# Altium PCB FMC_radio_holeRef.PcbDoc (part 2 of 2)
Units mm, origin at the board's own origin, x right, y up, seen from the top; angles counter-clockwise.
Board outline 139.31 x 69.3 mm, 4 copper layers (Top Layer, SIG, GND, Bottom Layer), stack 1.372 mm thick; 109 components, 95 nets, 451 pads, 661 vias.
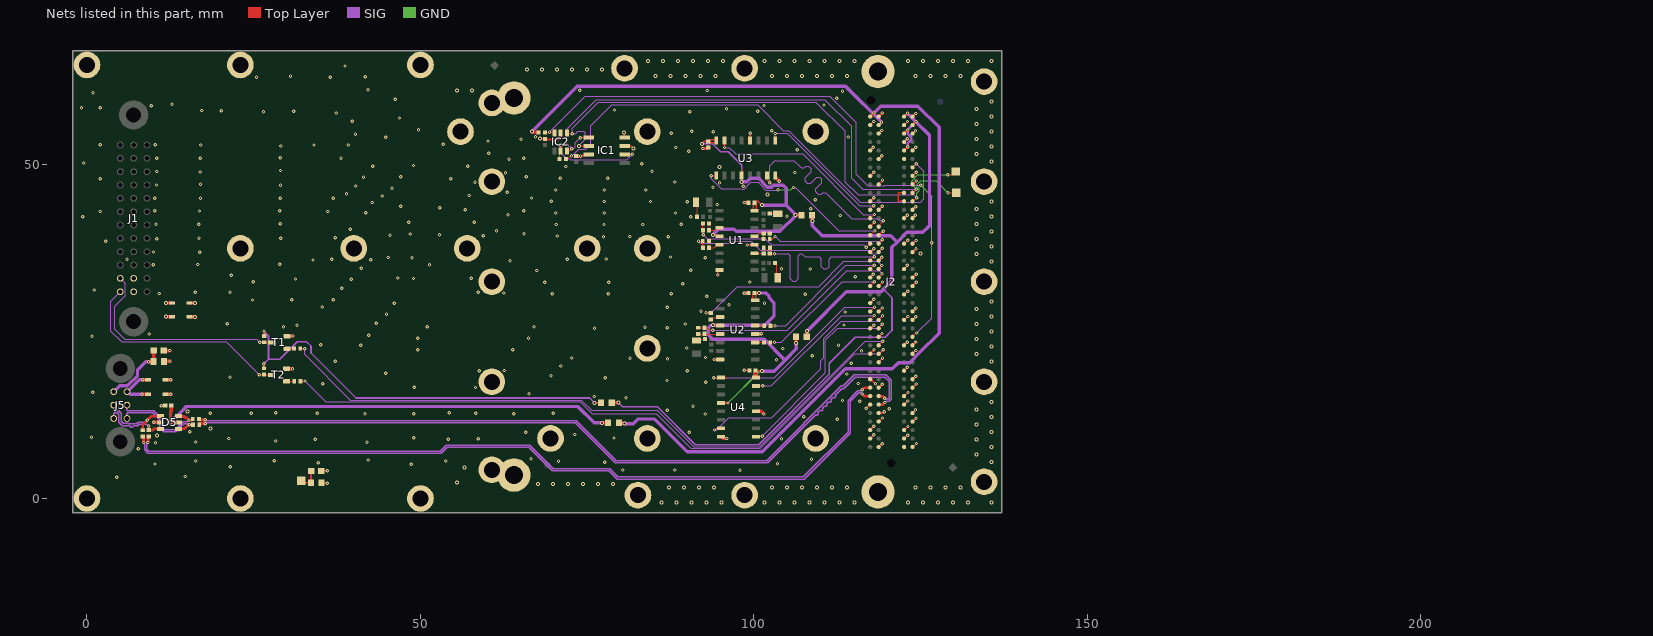
[diagram p4: the nets of this part, all layers, seen from the top]

## Via types
v1: diameter 0.5, hole 0.2, Top Layer to Bottom Layer, 509 vias
v2: diameter 0.6, hole 0.3, Top Layer to Bottom Layer, 152 vias

## Nets (pads, with @x,y where several pads share a name; then routed paths per layer and width w, separated by ;. In a path a pad name is that pad's centre, name@x,y a point inside that pad or via, vN(x,y) a via of type N, cw(c..) or ccw(c..) an arc to the next point about the centre after c; other vN are vias at no path point) (continued)
EWC27_CLK_C_TX_N: D5.4 J5.1 R18.1 | length 14.8
  Top Layer w0.4: D5.4@13.745,10.455 14.65,10.455 15.052,10.856 ; v1(15.316,11.049) R18.1@15.888,11.049
  SIG w0.2: J5.1@6,12 6,12.719 6.117,12.836 9.897,12.836 10.947,11.786 10.947,10.587 11.523,10.011 13.364,10.011 13.411,10.058 13.599,10.246 ccw(c13.76,10.407) 13.92,10.567 14.241,10.889 14.562,11.21 15.074,11.21 15.235,11.049 v1(15.316,11.049)
EWC27_CLK_C_TX_P: D5.6 J5.2 R19.1 | length 15
  Top Layer w0.4: D5.6@13.745,12.355 13.796,12.304 14.568,12.304 14.723,12.149 14.879,12.149 15.291,11.737 15.681,11.737 15.862,11.918 R19.1@15.862,11.938
  SIG w0.2: J5.2@6,14 6,13.281 6.117,13.163 10.032,13.163 11.274,11.921 11.274,10.722 11.659,10.338 13.228,10.338 14.427,11.537 15.024,11.537 15.222,11.735 v1(15.291,11.735)
EWC27_CLK_N: J2.g7 R18.2 | length 117.5
  Top Layer w0.4: R18.2@16.828,11.049 16.879,11.101 16.879,11.235 17.506,11.235 17.511,11.23 17.718,11.23 17.718,11.192 v1(17.729,11.18) ; J2.g7@118.695,15.346 119.287,15.346 v1(119.609,15.024)
  SIG w0.2: v1(17.729,11.18) 17.81,11.18 17.96,11.33 73.196,11.33 79.189,5.337 102.04,5.337 109.248,12.545 109.277,12.574 ccw(c109.438,12.735) 109.598,12.895 109.919,13.216 ccw(c110.08,13.377) 110.24,13.537 110.561,13.858 ccw(c110.722,14.019) 110.882,14.179 111.203,14.5 ccw(c111.364,14.661) 111.524,14.821 111.845,15.142 ccw(c112.006,15.303) 112.166,15.463 113.172,16.469 113.446,16.469 115.189,18.212 119.617,18.212 120.261,17.568 120.261,14.991 120.143,14.874 119.978,14.874 119.885,14.967 119.666,14.967 v1(119.609,15.024)
EWC27_CLK_P: J2.g6 R19.2 | length 117.2
  Top Layer w0.4: R19.2@16.802,11.938 16.879,11.861 16.879,11.762 17.692,11.762 17.729,11.799 v1(17.729,11.807) ; J2.g6@118.695,14.076 119.287,14.076 v1(119.609,14.397)
  SIG w0.2: v1(17.729,11.807) 17.81,11.807 17.96,11.657 73.331,11.657 79.324,5.664 101.905,5.664 113.037,16.796 113.311,16.796 115.053,18.539 119.752,18.539 120.588,17.703 120.588,14.856 120.279,14.547 119.84,14.547 119.69,14.397 v1(119.609,14.397)
EWC27_CMD_RX: C18.2 J2.g24 R10.2 | length 31.4
  Top Layer w0.127: v1(91.673,38.578) 92.22,38.578 92.282,38.64 R10.2@92.319,38.603 92.337,38.585 C18.2@92.337,37.598 ; J2.g24@118.695,36.936 118.695,36.942 v1(119.253,37.5)
  SIG w0.127: v1(91.673,38.578) 91.965,38.285 96.279,38.285 96.571,38.578 99.573,38.578 100.965,37.186 117.17,37.186 117.678,36.678 118.431,36.678 v1(119.253,37.5)
EWC27_CMD_TX: J2.h28 U3.15 | length 28.5
  Top Layer w0.127: v1(95.59,52.615) U3.15@95.59,53.671 ; J2.h28@117.425,42.016 117.98,42.57 v1(118.059,42.57)
  SIG w0.127: v1(95.59,52.615) 96.288,52.615 97.253,51.65 107.329,51.65 116.408,42.57 v1(118.059,42.57)
EWC27_DATA_C_TX_N: D5.3 J5.4 R20.1 | length 10.5
  Top Layer w0.4: v1(9.246,10.871) 9.258,10.858 9.258,10.262 R20.1@9.271,10.249 9.868,10.249 10.074,10.455 D5.3@11.045,10.455 D5.3@11.01,10.49
  SIG w0.2: J5.4@4,12 4,12.696 4.14,12.836 4.613,12.836 4.801,12.649 4.801,11.41 5.284,10.927 6.005,10.927 6.061,10.871 6.455,10.871 ccw(c6.682,10.871) 6.909,10.871 7.598,10.871 7.828,11.101 8.978,11.101 9.208,10.871 v1(9.246,10.871)
EWC27_DATA_C_TX_P: D5.1 J5.5 R21.1 | length 11.6
  Top Layer w0.4: R21.1@8.357,10.224 8.357,11.049 v1(9.026,11.718) 9.627,12.319 11.01,12.319 D5.1@11.045,12.355
  SIG w0.2: J5.5@4,14 4,13.304 4.14,13.163 4.749,13.163 5.128,12.785 5.128,11.545 5.419,11.254 6.141,11.254 6.197,11.198 7.462,11.198 7.692,11.428 8.759,11.428 9.026,11.695 v1(9.026,11.718)
EWC27_DATA_TX_N: J2.h8 R20.2 | length 121.3
  Top Layer w0.4: v1(9.127,8.382) 9.146,8.401 9.146,9.204 9.251,9.309 R20.2@9.271,9.309 ; v1(116.256,16.294) 116.577,16.616 J2.h8@117.425,16.616
  SIG w0.2: v1(9.127,8.382) 9.127,8.301 8.977,8.151 8.977,7.406 9.271,7.112 52.984,7.112 53.873,8.001 66.35,8.001 69.881,4.47 78.359,4.47 79.604,3.226 107.417,3.226 114.122,9.931 114.122,14.686 115.179,15.743 115.179,15.753 115.57,16.144 116.025,16.144 116.175,16.294 v1(116.256,16.294)
EWC27_DATA_TX_P: J2.h7 R21.2 | length 121.8
  Top Layer w0.4: R21.2@8.357,9.284 8.377,9.284 8.481,9.179 8.481,8.401 v1(8.5,8.382) ; v1(116.256,15.667) 116.577,15.346 J2.h7@117.425,15.346
  SIG w0.2: v1(8.5,8.382) 8.5,8.301 8.65,8.151 8.65,7.27 9.136,6.785 53.12,6.785 54.009,7.674 66.215,7.674 69.745,4.143 78.224,4.143 79.468,2.899 107.552,2.899 114.449,9.796 114.449,14.551 115.506,15.608 115.506,15.617 115.706,15.817 116.025,15.817 116.175,15.667 v1(116.256,15.667)
EWC27_FAULT: C6.2 J2.g25 R12.2 | length 19.1
  Top Layer w0.127: C6.2@102.364,39.739 102.366,39.737 R12.2@102.366,38.882 102.747,38.882 v1(103.153,39.289) ; J2.g25@118.695,38.206 119.253,38.764 v1(119.253,38.786)
  SIG w0.127: v1(103.153,39.289) 103.91,38.532 118.992,38.532 119.246,38.786 v1(119.253,38.786)
EWC27_LT8610_EN: J1.26 R16.1 T1.3 | length 32.9
  Top Layer w0.127: v1(25.909,23.414) R16.1@26.57,23.414 27.634,23.414 T1.3@27.655,23.393
  SIG w0.127: J1.26@5,33 5.74,32.26 5.74,30.404 4.166,28.829 4.166,25.391 5.656,23.901 25.421,23.901 v1(25.909,23.414)
EWC27_OFF_VCC: J2.h29 U3.9 | length 21.1
  Top Layer w0.127: U3.9@103.21,53.671 v1(103.21,54.723) ; J2.h29@117.425,43.286 117.425,43.311 v1(117.98,43.866)
  SIG w0.127: v1(103.21,54.723) 104.966,54.723 115.824,43.866 v1(117.98,43.866)
EWC27_RST: J2.g15 U4.9 | length 29.7
  Top Layer w0.127: U4.9@100.298,9.247 100.373,9.322 v1(101.219,9.322) ; J2.g15@118.695,25.506 119.253,26.064 v1(119.253,26.137)
  SIG w0.127: v1(101.219,9.322) 110.719,18.821 110.719,23.698 112.547,25.527 118.643,25.527 v1(119.253,26.137)
EWC31_CLK_RX: C17.2 J2.h25 R8.2 | length 27.8
  Top Layer w0.127: R8.2@92.337,41.219 92.354,41.202 C17.2@92.354,40.218 92.384,40.188 v1(92.384,39.543) ; v1(116.815,37.643) 116.862,37.643 J2.h25@117.425,38.206
  SIG w0.127: v1(92.384,39.543) 92.968,38.959 101.659,38.959 102.594,38.024 116.434,38.024 v1(116.815,37.643)
EWC31_CLK_TX: J2.h26 U3.1 | length 31.3
  Top Layer w0.127: v1(93.596,48.399) 93.618,48.421 U3.1@94.32,48.421 ; J2.h26@117.425,39.476 118.107,40.157 v1(118.135,40.157)
  SIG w0.127: v1(93.596,48.399) 93.596,47.908 95.072,46.431 98.129,46.431 98.211,46.349 98.576,46.349 98.834,46.607 98.834,46.731 99.525,47.422 100.663,47.422 100.88,47.205 100.88,47.154 101.79,46.245 103.547,46.245 v1(103.607,46.304) ; v1(105.918,46.634) 105.963,46.59 106.242,46.59 112.674,40.157 v1(118.135,40.157)
  GND w0.127: v1(103.607,46.304) 105.531,46.304 105.889,46.663 v1(105.918,46.634)
EWC31_CMD_RX: C1.2 J2.g21 R7.2 | length 32.4
  Top Layer w0.127: R7.2@91.654,25.601 92.557,25.601 C1.2@92.562,25.596 92.995,25.596 93.369,25.222 v1(93.802,25.222) ; J2.g21@118.695,33.126 118.695,33.199 v1(119.202,33.706)
  SIG w0.127: v1(93.802,25.222) 104.978,25.222 113.894,34.138 118.77,34.138 v1(119.202,33.706)
EWC31_CMD_TX: J2.g16 U4.7 | length 36.7
  Top Layer w0.127: v1(94.076,10.256) 94.373,10.553 95.012,10.553 U4.7@95.048,10.517 ; J2.g16@118.695,26.776 119.278,27.359 v1(119.278,27.407)
  SIG w0.127: v1(94.076,10.256) 94.355,10.256 96.215,12.116 102.641,12.116 109.995,19.469 109.995,20.663 110.465,21.133 110.465,23.978 113.055,26.568 118.44,26.568 v1(119.278,27.407)
EWC31_DATA_RX: C4.2 J2.h23 R11.2 | length 27.8
  Top Layer w0.127: R11.2@102.404,37.587 102.404,36.762 C4.2@102.366,36.723 102.391,36.698 v1(103.077,36.698) ; J2.h23@117.425,35.666 117.98,36.22 v1(118.008,36.22)
  SIG w0.127: v1(103.077,36.698) 105.004,36.698 105.126,36.698 105.468,36.355 105.468,32.919 105.811,32.576 106.269,32.576 106.611,32.919 106.611,36.355 106.954,36.698 107.183,36.698 107.661,36.22 108.242,36.22 108.814,36.22 109.626,36.22 109.779,36.22 110.122,35.877 110.122,34.749 110.465,34.406 110.922,34.406 111.265,34.749 111.265,35.877 111.608,36.22 111.836,36.22 v1(118.008,36.22)
EWC31_DATA_TX: J2.g27 U3.7 | length 31.9
  Top Layer w0.127: U3.7@101.94,48.421 102.004,48.357 102.004,47.68 v1(102.364,47.32) ; J2.g27@118.695,40.746 118.695,40.869 119.405,41.58 v1(119.405,41.622)
  SIG w0.127: v1(102.364,47.32) 102.364,49.916 103.108,50.659 105.982,50.659 106.909,49.733 107.07,49.572 107.555,49.572 107.76,49.777 108.245,49.777 108.569,49.454 108.569,48.969 108.121,48.521 107.673,48.073 107.673,47.588 107.997,47.265 108.481,47.265 108.929,47.713 109.377,48.16 109.862,48.16 110.185,47.837 110.185,47.352 109.737,46.904 109.29,46.457 109.29,45.972 109.613,45.648 110.098,45.648 110.303,45.854 110.788,45.854 111.531,45.11 114.681,41.961 118.618,41.961 118.957,41.622 v1(119.405,41.622)
EWC31_DATA_VALID: J2.h20 R6.2 | length 20.3
  Top Layer w0.127: R6.2@102.435,23.387 102.453,23.405 v1(103.07,23.405) ; J2.h20@117.425,31.856 118.034,32.464 v1(118.034,32.487)
  SIG w0.127: v1(103.07,23.405) 104.116,23.405 113.197,32.487 v1(118.034,32.487)
EWC31_FAULT: J2.h22 R5.2 | length 20.1
  Top Layer w0.127: R5.2@102.473,25.907 102.486,25.92 v1(103.146,25.92) ; J2.h22@117.425,34.396 117.428,34.396 v1(118.008,34.976)
  SIG w0.127: v1(103.146,25.92) 104.761,25.92 113.781,34.94 117.972,34.94 v1(118.008,34.976)
EWC31_LOCK_DETECT: J2.g22 R3.2 | length 31.3
  Top Layer w0.127: v1(92.808,27.825) 93.494,27.825 R3.2@93.52,27.8 ; J2.g22@118.695,34.396 119.177,34.877 v1(119.177,34.94)
  SIG w0.127: v1(92.808,27.825) 93.56,27.825 97.485,31.75 109.677,31.75 113.487,35.56 118.557,35.56 v1(119.177,34.94)
EWC31_LT8610_EN: J1.25 R14.1 T2.3 | length 33.4
  Top Layer w0.127: v1(25.833,18.542) 26.468,18.542 R14.1@26.519,18.592 26.595,18.516 T2.3@27.63,18.516
  SIG w0.127: J1.25@5,31 3.548,29.548 3.548,25.103 5.182,23.47 20.905,23.47 v1(25.833,18.542)
EWC31_OFF_VCC: J2.h16 U4.15 | length 23
  Top Layer w0.127: U4.15@100.298,16.867 101.296,16.867 v1(101.307,16.877) ; J2.h16@117.425,26.776 117.425,26.823 v1(118.034,27.432)
  SIG w0.127: v1(101.307,16.877) 102.602,16.877 113.157,27.432 v1(118.034,27.432)
EWC31_RST: J2.h17 U4.1 | length 32.6
  Top Layer w0.127: v1(93.955,18.085) 96.022,18.085 96.074,18.137 U4.1@95.048,18.137 ; J2.h17@117.425,28.046 118.056,28.677 v1(118.059,28.677)
  SIG w0.127: v1(93.955,18.085) 103.022,18.085 113.614,28.677 v1(118.059,28.677)
GA0: IC1.2 IC2.5 R23.1 | length 16.1
  Top Layer w0.127: R23.1@70.866,50.902 70.866,51.964 IC2.5@71.018,52.117 v2(71.018,53.01) ; IC1.2@80.609,51.587 80.635,51.613 v1@81.788,51.613
  SIG w0.127: v2(71.018,53.01) 71.018,51.802 71.907,50.913 72.349,50.913 72.455,50.808 73.822,50.808 73.838,50.792 74.455,50.792 74.498,50.749 80.924,50.749 v1@81.788,51.613
  other v1: 81.763,51.613
GA1: J2.d35
GND: B1.1 B2.1 B3.1 B4.1 B5.1 B6.1 B7.1 B8.1 B9.1 B10.1 B11.1 B12.1 B13.1 B14.1 B15.1 B16.1 B17.1 B18.1 B19.1 B20.1 B21.1 B22.1 B23.1 B24.1 B25.1 B26.1 B27.1 B28.1 B29.1 B30.1 B31.1 B32.1 B33.1 B34.1 B35.1 B36.1 C2.1 C7.1 C8.1 C9.1 C10.1 C12.1 C13.1 C14.1 C15.1 D1.1 D2.2 D3.1 D4.2 D5.2 IC1.3 IC1.4 IC1.7 IC2.2 J2.c1 J2.c4 J2.c5 J2.c8 J2.c9 J2.c12 J2.c13 J2.c16 J2.c17 J2.c20 J2.c21 J2.c24 J2.c25 J2.c28 J2.c29 J2.c32 J2.c33 J2.c36 J2.c38 J2.c40 J2.d2 J2.d3 J2.d6 J2.d7 J2.d10 J2.d13 J2.d16 J2.d19 J2.d22 J2.d25 J2.d28 J2.d37 J2.d39 J2.g1 J2.g4 J2.g5 J2.g8 J2.g11 J2.g14 J2.g17 J2.g20 J2.g23 J2.g26 J2.g29 J2.g32 J2.g35 J2.g38 J2.g40 J2.h2 J2.h3 J2.h6 J2.h9 J2.h12 J2.h15 J2.h18 J2.h21 J2.h24 J2.h27 J2.h30 J2.h33 J2.h36 J2.h39 R25.1 R26.1 T1.2 T2.2 U1.8 U1.12 U2.8 U2.12 U3.8 U3.12 U4.8 U4.12 | length 76.4
  Top Layer w0.25: v1(94.59,33.503) 94.59,34.019 U1.8@94.819,34.249 U1.8@94.825,34.255
  Top Layer w0.254: v1(11.125,13.919) C12.1@11.735,13.919 ; C13.1@35.139,4.125 35.165,4.151 v1(36.002,4.151) ; R25.1@35.189,2.373 35.265,2.296 v1(36.002,2.296) ; v2(67.945,53.95) 67.978,53.917 C15.1@68.656,53.917 68.751,53.823 70.815,53.823 71.018,54.026 IC2.2@71.018,54.817 ; C10.1@73.355,51.326 73.359,51.33 73.406,51.283 74.135,51.283 74.266,51.414 75.036,51.414 IC1.7@75.209,51.587 ; v2(80.543,54.889) 80.543,54.193 IC1.4@80.609,54.127 ; IC1.3@80.609,52.857 81.534,52.857 v2(81.915,52.476) ; v1(98.538,19.214) C9.1@99.318,19.214 ; v1(98.984,37.998) 99.014,38.028 100.039,38.028 U1.12@100.069,38.059 ; U3.12@99.4,53.671 99.441,53.712 v1(99.441,54.762) ; v1(116.815,13.513) 116.862,13.513 J2.h6@117.425,14.076 ; J2.h2@117.425,8.996 117.958,9.528 v1(117.958,9.55) ; J2.h3@117.425,10.266 117.425,10.317 v1(117.954,10.846) ; J2.h9@117.425,17.886 117.496,17.886 118.186,17.196 v1(118.212,17.196) ; J2.h12@117.425,21.696 117.425,21.718 v1(117.983,22.276) ; J2.h15@117.425,25.506 117.487,25.506 v1(117.954,25.973) ; J2.h18@117.425,29.316 v1(117.954,29.845) ; J2.h21@117.425,33.126 117.907,33.607 v1(117.907,33.63) ; J2.h24@117.425,36.936 v1(117.954,37.465) ; J2.h27@117.425,40.746 117.425,40.795 118.008,41.378 v1(118.008,41.427) ; J2.h30@117.425,44.556 117.958,45.088 v1(117.958,45.11) ; J2.h33@117.425,48.366 117.932,48.873 v1(117.932,48.895) ; J2.h36@117.425,52.176 117.428,52.176 v1(117.907,52.654) ; J2.h39@117.425,55.986 v1(117.954,56.515) ; J2.g1@118.695,7.726 119.199,8.23 v1(119.224,8.23) ; J2.g4@118.695,11.536 118.749,11.536 v1(119.278,12.065) ; J2.g5@118.695,12.806 119.348,12.806 v1(119.522,12.979) ; J2.g8@118.695,16.616 118.724,16.616 119.253,17.145 v1(119.253,17.12) ; J2.g11@118.695,20.426 118.698,20.426 v1(119.278,21.006) ; J2.g14@118.695,24.236 119.199,24.74 v1(119.202,24.74) ; J2.g17@118.695,28.046 118.749,28.046 v1(119.253,28.55) ; J2.g20@118.695,31.856 118.724,31.856 119.278,32.41 v1(119.278,32.461) ; J2.g23@118.695,35.666 118.698,35.666 v1(119.177,36.144) ; J2.g26@118.695,39.476 119.301,40.081 v1(119.38,40.081) ; J2.g29@118.695,43.286 v1(119.224,43.815) ; J2.g32@118.695,47.096 119.278,47.679 v1(119.278,47.701) ; J2.g35@118.695,50.906 118.695,50.914 119.151,51.37 v1(119.151,51.384) ; J2.g40@118.695,57.256 v1@119.224,57.785 ; J2.g38@118.698,54.716 v1(119.151,55.169) ; J2.d2@122.505,8.996 122.559,8.996 v1(123.038,9.474) ; J2.d3@122.505,10.266 123.034,10.795 v1(123.088,10.795) ; J2.d6@122.505,14.076 122.534,14.076 v1(123.063,14.605) ; J2.d7@122.505,15.346 122.534,15.346 v1(123.088,15.9) ; J2.d10@122.505,19.156 122.987,19.637 v1(122.987,19.66) ; J2.d13@122.505,22.966 122.534,22.966 v1(122.987,23.419) ; J2.d16@122.505,26.776 122.53,26.776 v1(123.034,27.28) ; J2.d19@122.505,30.586 122.53,30.586 v1(123.034,31.09) ; J2.d22@122.505,34.396 122.94,34.83 122.94,34.929 v1(122.987,34.976) ; J2.d25@122.505,38.206 122.559,38.206 v1(123.063,38.71) ; J2.d28@122.505,42.016 122.534,42.016 v1(122.987,42.469) ; J2.d37@122.505,53.446 122.984,53.924 v1(122.984,53.95) ; J2.d39@122.505,55.986 122.505,56.008 v1(123.012,56.515) ; J2.c1@123.775,7.726 123.829,7.726 v1(124.358,8.255) ; J2.c4@123.775,11.536 124.279,12.04 v1(124.282,12.04) ; J2.c5@123.775,12.806 123.775,12.845 124.206,13.276 v1(124.206,13.31) ; J2.c8@123.775,16.616 124.304,17.145 v1(124.304,17.17) ; J2.c9@123.775,17.886 123.802,17.886 124.23,18.313 v1(124.257,18.313) ; J2.c12@123.775,21.696 123.777,21.696 v1(124.257,22.176) ; J2.c13@123.775,22.966 v1(124.279,23.47) ; J2.c16@123.775,26.776 123.804,26.776 v1(124.257,27.229) ; J2.c17@123.775,28.046 123.826,28.046 v1(124.279,28.499) ; J2.c20@123.775,31.856 123.775,31.871 v1(124.304,32.4) ; J2.c21@123.775,33.126 123.804,33.126 124.282,33.604 v1(124.333,33.604) ; J2.c24@123.775,36.936 123.778,36.936 v1(124.282,37.44) ; J2.c25@123.775,38.206 124.206,38.637 124.286,38.637 v1(124.333,38.684) ; J2.c28@123.775,42.016 J2.c28@123.775,42.016 v1(124.2,42.443) v1(124.2,42.443) ; J2.c29@123.775,43.286 123.789,43.286 124.217,43.713 v1(124.231,43.713) ; J2.c32@123.775,47.096 123.8,47.096 v1(124.304,47.6) ; J2.c33@123.775,48.366 v1(124.304,48.895) ; J2.c36@123.775,52.176 124.257,52.657 v1(124.257,52.68) ; J2.c38@123.775,54.716 123.777,54.716 124.204,55.143 v1(124.206,55.143) ; J2.c40@123.775,57.256 123.804,57.256 v1(124.257,57.709)
  Top Layer w0.508: v1(10.033,11.405) D5.2@11.045,11.405 ; C14.1@11.525,22.176 11.526,22.174 v1(12.421,22.174) ; R26.1@11.57,20.549 11.595,20.574 v1(12.446,20.574) ; D4.2@11.739,15.646 12.548,15.646 v1(12.573,15.621) ; D3.1@11.739,17.805 11.743,17.801 12.552,17.801 v1(12.573,17.78) ; D2.2@15.346,27.229 16.155,27.229 16.206,27.178 v2(16.231,27.178) ; D1.1@15.346,29.312 v2(16.205,29.312) ; T2.2@29.93,19.466 29.94,19.456 v1(30.812,19.456) ; T1.2@29.955,24.343 29.966,24.354 v1(30.837,24.354) ; v1(92.329,52.476) 92.974,52.476 C8.1@93.139,52.641 ; v1(94.002,20.84) 94.916,20.84 U2.8@94.923,20.847 ; U1.8@94.816,34.252 U1.8@94.819,34.249 ; U4.8@95.048,9.247 95.145,9.247 95.4,8.992 v1(95.936,8.992) ; v1(98.523,30.771) 99.133,30.771 C7.1@99.158,30.797 ; v1(98.556,44.369) 99.147,44.369 C2.1@99.173,44.343 ; U2.12@100.173,24.657 100.19,24.674 v1@101.088,24.674 ; U4.12@100.298,13.057 101.069,13.057 v1(101.452,12.675) ; U3.8@103.21,48.421 103.21,48.071 103.231,48.05 103.334,48.05 v1(103.81,47.574) ; J2.g38@118.695,54.716 J2.g38@118.698,54.716 ; v1@119.224,57.785 v1(119.228,57.785)
  other v1: 4.445,3.175 14.732,3.302 97.911,4.216 80.315,4.267 88.132,4.267 21.488,4.75 48.609,5.156 10.204,5.182 103.525,5.232 34.665,5.359 77.622,5.436 70.688,5.588 16.307,5.613 53.772,5.613 28.067,5.639 42.182,5.766 108.636,5.893 66.573,5.944 7.7,7.442 10.266,8.357 41.986,8.407 16.332,8.465 28.296,8.611 34.239,8.89 54.178,8.89 104.119,8.941 58.646,8.966 21.26,8.992 79.019,9.068 48.971,9.119 0.686,9.195 73.127,9.601 65.761,9.906 90.272,9.906 15.396,10.025 112.503,11.862 107.442,12.271 64,12.684 92.718,12.675 48.968,12.7 41.681,12.725 18.495,12.776 24.613,12.776 34.519,12.776 58.293,12.776 69.901,12.802 54.335,12.852 28.296,12.878 86.995,13.208 120.298,13.437 90.852,13.846 115.879,14.58 113.271,14.687 80.823,15.113 76.073,15.291 66.269,15.68 0.851,15.951 58.242,16.647 49.047,16.662 35.331,17.221 115.625,17.247 92.79,17.45 86.97,17.678 77.699,18.085 21.438,18.161 69.571,18.415 113.894,18.664 44.806,18.771 58.801,19.152 89.983,19.152 62.535,19.177 71.044,19.863 114.56,20.273 37.211,20.574 103.382,20.803 87.046,20.93 81.407,21.031 72.669,21.057 92.739,21.133 108.737,21.408 116.129,22.149 49.591,22.276 63.83,22.276 104.322,22.479 89.941,22.567 41.046,22.962 112.678,22.959 35.027,23.038 49.591,24.003 66.192,24.011 0.762,24.333 42.266,24.486 9.347,24.659 101.089,24.675 76.098,25.527 86.995,25.603 83.668,25.679 29.465,25.73 51.003,25.73 67.016,25.73 31.496,25.984 113.487,26.019 89.706,26.165 21.006,26.213 43.383,26.289 44.907,27.635 113.677,27.965 92.057,28.062 86.995,28.677 35.281,28.702 96.264,29.058 46.05,29.261 101.579,29.254 24.816,29.769 30.683,29.794 36.906,29.816 92.943,30.302 107.703,30.632 69.748,30.683 87.579,30.683 78.177,30.709 10.846,30.729 62.509,30.81 16.25,30.896 21.438,30.912 58.649,30.912 1.067,31.267 38.176,31.496 89.306,32.182 68.631,32.436 78.207,32.436 99.365,32.461 24.943,32.512 39.623,32.868 31.267,32.918 48.946,32.969 46.584,33.045 57.633,33.032 115.168,33.26 21.641,33.477 67.412,34.188 90.526,34.201 108.421,34.401 104.119,34.442 41.097,34.493 9.957,35.052 51.359,35.052 16.615,35.077 28.88,35.136 63.424,35.666 33.884,35.763 42.545,35.789 6,35.865 36.678,35.865 72.009,35.89 77.851,35.916 48.717,36.068 92.689,36.068 45.187,36.119 87.491,36.195 16.891,36.932 9.982,36.957 2.819,38.572 10.439,38.959 29.032,39.014 16.787,39.031 37.236,39.091 77.445,39.218 87.147,39.243 81.356,39.268 70.51,39.345 59.411,39.37 45.441,39.472 52.857,39.548 48.463,39.649 65.532,39.7 61.392,40.157 39.446,40.361 70.333,41.072 77.521,41.072 83.337,41.072 89.103,41.097 10.338,41.118 16.739,41.123 28.956,41.173 48.239,41.427 58.064,41.427 -0.61,42.215 90.5,42.24 104.957,42.291 112.958,42.418 63.119,42.52 70.282,42.799 77.546,42.799 88.24,42.799 41.788,42.824 1.981,43.015 36.093,43.015 16.868,43.094 10.149,43.129 28.905,43.139 65.497,43.158 56.718,43.282 108.534,43.459 52.883,43.612 47.041,43.815 94.492,44.069 42.752,44.374 89.983,44.501 77.546,44.521 84.48,44.521 69.596,44.552 109.169,44.806 10.149,45 36.926,45 17.018,45.034 28.956,45.034 66.65,45.06 44.289,45.339 57.302,45.415 38.913,45.669 63.017,45.923 70.282,46.253 77.572,46.253 83.795,46.25 45.72,46.507 93.862,46.663 98.393,46.79 40.284,46.851 29.007,46.965 10.414,47.011 17.023,47.134 94.837,47.349 58.166,47.394 88.107,47.447 1.981,47.914 54.534,47.93 70.942,48.006 78.078,48.012 41.453,48.184 47.066,48.235 65.862,48.26 62.738,48.819 106.102,48.87 16.967,48.946 10.439,49.017 84.709,49.073 29.007,49.174 71.755,49.784 57.099,49.811 42.834,49.835 48.946,49.911 83.185,50.19 -0.483,50.292 63.271,50.851 16.993,51.003 10.439,51.024 38.075,51.024 65.507,51.029 28.983,51.079 73.99,51.301 60.249,51.74 90.221,52.07 106.473,52.292 88.29,52.629 29.058,52.857 10.226,53.01 17.049,53 34.034,53 39.192,53 1.981,53.052 53.391,53.086 60.122,53.594 65.075,53.875 44.78,54.153 114.148,54.204 67.234,54.229 40.259,54.585 87.579,54.762 93.878,54.991 90.678,55.075 102.641,55.143 49.691,55.296 39.776,56.561 46.863,57.048 37.363,57.785 90.348,57.963 26.467,57.988 100.567,58.039 31.013,58.06 20.117,58.136 17.221,58.166 79.096,58.242 95.885,58.42 1.981,58.572 -0.813,58.598 9.652,58.903 101.498,58.928 110.49,59.004 12.738,59.086 46.203,59.868 112.42,60.02 0.914,60.808 113.284,61.062 92.977,61.163 73.889,61.189 42.139,61.29 36.474,63.144 25.425,63.17 41.707,63.221 30.514,63.322 38.684,64.846
  other v2: 86.1,-0.625 88.35,-0.625 90.6,-0.625 92.85,-0.625 95.1,-0.625 101.6,-0.625 103.85,-0.625 106.1,-0.625 108.35,-0.625 110.6,-0.625 112.85,-0.625 115.1,-0.625 123.075,-0.625 125.325,-0.625 127.575,-0.625 129.825,-0.625 132.075,-0.625 135.625,-0.625 87.225,1.625 89.475,1.625 91.725,1.625 93.975,1.625 102.725,1.625 104.975,1.625 107.225,1.625 109.475,1.625 111.725,1.625 113.975,1.625 124.2,1.625 126.45,1.625 128.7,1.625 130.95,1.625 67.65,2.15 69.9,2.15 72.15,2.15 74.4,2.15 76.65,2.15 78.9,2.15 55.45,2.375 56.575,4.625 135.625,5.5 133.375,6.625 135.625,7.75 133.375,8.875 10.475,9.425 135.625,10 18.546,10.476 133.375,11.125 135.625,12.25 15.088,13.03 133.375,13.375 135.625,14.5 135.625,20.5 133.375,21.625 135.625,22.75 133.375,23.875 135.625,25 133.375,26.125 135.625,27.25 133.375,28.375 135.625,29.5 135.625,35.5 133.375,36.625 124.958,36.7 135.625,37.75 133.375,38.875 135.625,40 133.375,41.125 135.625,42.25 133.375,43.375 135.625,44.5 102.057,45.593 94.815,49.721 135.625,50.5 133.375,51.625 135.625,52.75 133.375,53.875 135.625,55 133.375,56.125 135.625,57.25 133.375,58.375 135.625,59.5 55.45,61.175 57.7,61.175 85.225,63.375 87.475,63.375 89.725,63.375 91.975,63.375 94.225,63.375 102.725,63.375 104.975,63.375 107.225,63.375 109.475,63.375 111.725,63.375 113.975,63.375 124.2,63.375 126.45,63.375 128.7,63.375 130.95,63.375 65.974,64.313 68.224,64.313 70.474,64.313 72.724,64.313 74.974,64.313 77.224,64.313 84.1,65.625 86.35,65.625 88.6,65.625 90.85,65.625 93.1,65.625 95.35,65.625 101.6,65.625 103.85,65.625 106.1,65.625 108.35,65.625 110.6,65.625 112.85,65.625 115.1,65.625 123.075,65.625 125.325,65.625 127.575,65.625 129.825,65.625 132.075,65.625 135.625,65.625
LA10_P: IC2.3 J2.c14 R4.1 | length 94.2
  Top Layer w0.127: R4.1@68.644,54.889 69.996,54.889 IC2.3@70.068,54.817 ; J2.c14@123.775,24.236 124.355,24.816 v1(124.409,24.816)
  SIG w0.127: v1@69.317,54.915 74.727,60.325 111.379,60.325 115.341,56.363 115.341,48.607 117.069,46.88 119.619,46.88 119.704,46.965 v1(124.993,46.965) ; v1(124.409,24.816) 126.644,27.051 v1(126.644,38.354)
  GND w0.127: v1(124.993,46.965) 126.644,45.314 v1(126.644,38.354)
  other v1: 69.342,54.915
NetC1_1: C1.1 R7.1 U2.5 | length 3.3
  Top Layer w0.127: R7.1@91.727,24.587 C1.1@92.562,24.587 ; C1.1@92.562,24.657 C1.1@92.66,24.657 ; C1.1@92.586,24.731 C1.1@92.66,24.657 ; U2.5@94.923,24.657 C1.1@92.66,24.657
NetC3_1: C3.1 R1.2 | length 2.3
  Top Layer w0.127: C3.1@103.153,35.289 103.4,35.042 103.4,33.286 R1.2@103.569,33.117
NetC4_1: C4.1 R11.1 U1.11 | length 2.3
  Top Layer w0.127: U1.11@100.069,36.789 101.401,36.789 C4.1@101.466,36.723 101.466,37.585 R11.1@101.464,37.587
NetC5_1: C5.1 R2.1 | length 1.2
  Top Layer w0.127: C5.1@102.366,42.729 103.517,42.729 R2.1@103.569,42.676
NetC6_1: C6.1 R12.1 U1.13 | length 2.4
  Top Layer w0.127: U1.13@100.069,39.329 100.408,39.329 100.819,39.739 C6.1@101.464,39.739 101.464,38.921 R12.1@101.426,38.882
NetC11_1: C11.1 R24.2 | length 2.2
  Top Layer w0.127: R24.2@91.296,44.389 91.483,44.202 C11.1@91.483,42.23
NetC12_2: C12.2 D5.5 R31.1 | length 71.4
  Top Layer w0.508: C12.2@12.635,13.919 12.635,13.106 12.522,12.994 v2(12.522,11.405) D5.5@13.745,11.405 ; v2(77.241,11.33) R31.1@78.143,11.33
  SIG w0.508: v2(12.522,11.405) 14.407,13.289 14.407,13.312 14.887,13.792 73.609,13.792 76.071,11.33 v2(77.241,11.33)
NetC13_2: C13.2 R25.2 TP1.1 | length 3.9
  Top Layer w0.254: TP1.1@31.697,2.957 31.786,2.957 32.37,2.373 R25.2@33.589,2.373 ; R25.2@33.589,2.423 33.589,4.075 C13.2@33.639,4.125
NetC14_2: C14.2 J5.6 R26.2 | length 10
  Top Layer w0.508: v1(9.212,20.523) 9.944,20.523 R26.2@9.97,20.549 10.025,20.604 C14.2@10.025,22.176
  SIG w0.508: J5.6@4,16 4.919,16.919 6.069,16.919 7.581,18.431 7.581,19.29 8.814,20.523 v1(9.212,20.523)
NetC16_1: C16.1 R28.2 | length 1.4
  Top Layer w0.127: R28.2@91.386,23.694 91.58,23.888 C16.1@92.656,23.888
NetC17_1: C17.1 R8.1 U1.3 | length 2.7
  Top Layer w0.127: C17.1@93.254,40.218 C17.1@93.277,40.241 ; R8.1@93.277,41.219 C17.1@93.277,40.241 ; U1.3@94.819,40.599 94.608,40.387 94.227,40.387 94.081,40.241 C17.1@93.277,40.241
NetC18_1: C18.1 R10.1 U1.5 | length 2.8
  Top Layer w0.127: R10.1@93.259,38.603 93.259,37.62 C18.1@93.237,37.598 94.011,37.598 94.26,37.847 94.319,37.847 94.53,38.059 U1.5@94.819,38.059
NetD1_2: D1.2 D2.1 J1.13 J1.14 | length 1.9
  Top Layer w0.381: v2(11.811,29.337) v2@11.836,29.312 ; v2(11.836,27.25) v2@11.851,27.235
  Top Layer w0.508: v2@11.836,29.312 D1.2@12.746,29.312 ; v2@11.851,27.235 11.876,27.235 11.882,27.229 D2.1@12.746,27.229
NetD3_2: D3.2 D4.1 J5.3 | length 7.2
  Top Layer w0.508: v1(8.28,15.646) D4.1@9.139,15.646 ; v1(8.357,17.805) D3.2@9.139,17.805
  SIG w0.508: v1(8.28,15.646) 6.487,15.646 6.133,16 J5.3@6,16 6.048,16 7.854,17.805 v1(8.357,17.805)
NetJ2_c34: J2.c34 R23.2 | length 71.6
  Top Layer w0.127: R23.2@71.806,50.902 71.806,50.922 72.032,51.148 72.3,51.148 72.49,51.338 v1@72.618,51.338 ; J2.c34@123.775,49.636 123.8,49.636 v1(124.33,50.165)
  SIG w0.127: v1@72.618,51.338 v1@72.623,51.338 ; v1@72.746,51.46 72.593,51.308 72.695,51.308 73.711,52.324 74.803,52.324 75.514,53.035 75.514,55.855 78.664,59.004 100.533,59.004 104.369,55.169 105.181,55.169 115.9,44.45 124.968,44.45 125.434,44.916 125.434,49.061 v1(124.33,50.165)
  other v1: 72.644,51.389
NetJ2_d30: J2.d30 J2.d31 | length 3
  Top Layer w0.224: J2.d30@122.505,44.556 121.616,44.556 121.616,45.826 J2.d31@122.505,45.826
NetJ2_g12: J2.g12 R15.2 | length 98.6
  Top Layer w0.127: R15.2@32.006,17.576 32.666,17.576 v1(32.691,17.602) ; J2.g12@118.695,21.696 118.775,21.696 v1(119.38,22.301)
  SIG w0.127: v1(32.691,17.602) 35.802,14.491 73.952,14.491 75.743,12.7 85.348,12.7 90.543,7.506 100.948,7.506 115.108,21.666 118.745,21.666 v1(119.38,22.301)
NetJ2_g13: J2.g13 R17.2 | length 101.4
  Top Layer w0.127: R17.2@31.98,22.485 32.012,22.453 v1(32.64,22.453) ; J2.g13@118.695,22.966 119.301,23.571 v1(119.329,23.571)
  SIG w0.127: v1(32.64,22.453) 32.64,21.589 39.484,14.745 74.105,14.745 75.641,13.208 85.522,13.208 90.97,7.76 100.843,7.76 116.654,23.571 v1(119.329,23.571)
NetR3_1: R3.1 U2.3 | length 1.5
  Top Layer w0.127: R3.1@93.52,26.86 93.746,27.086 94.812,27.086 U2.3@94.923,27.197
NetR5_1: R5.1 U2.13 | length 1.4
  Top Layer w0.127: U2.13@100.173,25.927 101.513,25.927 R5.1@101.533,25.907
NetR6_1: R6.1 U2.11 | length 1.3
  Top Layer w0.127: U2.11@100.173,23.387 R6.1@101.495,23.387
NetR15_1: R15.1 T2.1 | length 1.1
  Top Layer w0.127: T2.1@29.93,17.566 31.055,17.566 R15.1@31.066,17.576
NetR17_1: R17.1 T1.1 | length 1.1
  Top Layer w0.127: T1.1@29.955,22.443 30.997,22.443 R17.1@31.04,22.485
P3V3: J2.c39 J2.d36 J2.d38 J2.d40 R29.2 R30.2 R32.2 | length 129.4
  Top Layer w0.381: J2.d36@122.505,52.176 123.063,52.734 v1(123.063,52.75) ; J2.d38@122.505,54.716 123.034,55.245 v1(123.038,55.245) ; J2.d40@122.505,57.256 122.508,57.256 v1(123.012,57.76) ; J2.c39@123.775,55.986 v1(124.304,56.515)
  Top Layer w0.508: R32.2@78.676,14.331 R32.2@78.676,14.331 79.631,14.333 79.655,14.357 v2(79.68,14.357) ; R29.2@107.912,24.232 107.95,24.27 v2@107.95,25.095 ; R30.2@108.699,42.469 108.763,42.405 v2@108.763,41.631
  SIG w0.254: v2(79.68,14.357) 80.295,13.741 85.547,13.741 91.211,8.077 100.711,8.077 111.303,18.669 111.303,20.295 115.189,24.181 119.685,24.181 120.701,25.197 120.701,30.099 119.418,31.382
  SIG w0.381: v1(123.063,52.75) 123.063,52.782 123.038,52.808 123.038,53.201 123.551,53.715 123.551,54.185 123.038,54.698 v1(123.038,55.245) 123.038,55.248 124.281,56.491 v1(124.304,56.515)
  SIG w0.508: v2@107.95,25.095 113.868,31.013 119.05,31.013 119.418,31.382 120.65,32.614 120.65,37.643 121.45,38.443 ; v2@108.763,41.631 108.763,40.894 110.261,39.395 118.97,39.395 118.992,39.417 120.476,39.417 121.45,38.443 ; v1(123.012,57.76) 124.281,56.491 126.314,54.458 126.314,40.894 125.324,39.903 122.911,39.903 121.45,38.443
  other v2: 107.95,25.146 108.763,41.605
P3V3_1: C7.2 C9.2 R29.1 U2.4 U2.16 U4.4 U4.16 | length 53.4
  Top Layer w0.254: v2(93.828,25.984) 93.856,25.956 94.894,25.956 U2.4@94.923,25.927 U2.4@94.926,25.923 ; U4.4@95.048,14.327 v1(96.11,14.327) ; U2.16@99.823,29.933 99.823,30.561 C7.2@100.058,30.797 C7.2@100.28,30.797 ; U4.16@100.001,18.173 C9.2@100.001,19.062 ; C9.2@100.218,19.214 100.331,19.101 v2(101.238,19.101) ; U2.16@100.28,29.908 C7.2@100.28,30.797 ; U4.16@100.458,18.147 C9.2@100.458,19.036 ; v2@100.693,30.797 C7.2@100.28,30.797
  Top Layer w0.508: R29.1@106.312,24.232 106.312,23.355 v2@106.35,23.317
  SIG w0.254: v1(96.11,14.327) v1@96.136,14.352
  SIG w0.508: v2(93.828,25.984) 94.348,25.984 ; v2(100.736,30.81) 101.752,30.81 102.26,30.302 102.26,30.099 102.997,29.362 102.997,27.33 101.651,25.984 94.348,25.984 ; v2(101.238,19.101) 103.048,19.101 104.699,20.752 104.648,20.752 ; v2@106.35,23.317 106.35,22.454 104.648,20.752 ; 94.348,25.984 94.391,25.941 93.531,25.941 93.142,25.552 93.142,24.536 93.803,23.875 101.525,23.875 104.648,20.752
  GND w0.254: v1(96.11,14.327) 100.884,19.101 v2(101.238,19.101)
  other v2: 106.324,23.316
P3V3_2: C2.2 C8.2 R30.1 U1.4 U1.16 U3.4 U3.16 | length 50.9
  Top Layer w0.254: v2(92.199,53.174) 92.565,53.541 C8.2@93.139,53.541 ; v2(93.828,39.522) 93.894,39.456 94.692,39.456 U1.4@94.819,39.329 ; U3.16@94.104,53.33 93.349,53.33 C8.2@93.139,53.541 ; U3.16@94.129,53.788 93.386,53.788 C8.2@93.139,53.541 ; U3.4@98.13,48.421 U3.4@98.146,48.437 ; v2(98.146,47.473) U3.4@98.146,48.437 ; U1.16@99.873,43.251 C2.2@99.873,44.14 ; C2.2@100.073,44.343 100.251,44.521 100.639,44.521 v2@101.172,43.988 ; U1.16@100.33,43.226 C2.2@100.33,44.115 ; U3.4@98.146,48.437 98.149,48.44 98.149,49.371 98.146,49.367 U3.4@98.146,48.437
  Top Layer w0.508: v2@106.324,42.494 107.074,42.494 R30.1@107.099,42.469
  SIG w0.254: v2(92.199,53.174) 93.774,53.174 94.976,51.971 96.145,51.971 98.168,49.948 98.146,49.926 v2(98.146,47.473)
  SIG w0.508: v2(93.828,39.522) 94.691,40.386 97.003,40.386 97.333,40.056 103.886,40.056 106.248,42.418 v2(106.248,42.494) 106.248,42.57 104.831,43.988 ; v2(98.146,47.473) 98.947,47.473 99.486,48.012 100.702,48.012 101.325,47.389 101.325,47.338 101.974,46.689 102.626,46.689 102.905,46.969 103.523,46.969 103.548,46.943 104.4,46.943 104.831,46.512 104.831,43.988 ; v2@101.185,44.001 101.251,44.001 101.264,43.988 104.831,43.988
  other v2: 101.168,44.018
P3V3_3: R14.2 R16.2 R32.1 | length 62.2
  Top Layer w0.254: R14.2@26.519,19.532 v1(26.519,20.193) ; v1(26.544,25.069) 26.564,25.05 26.564,24.359 R16.2@26.57,24.354 ; v2(76.098,14.333) v2(76.098,14.333) R32.1@77.076,14.331
  SIG w0.254: v1(26.519,20.193) 27.205,20.878 ; v1(26.544,25.069) 27.205,24.409 27.205,20.878 ; v2(76.098,14.333) 75.369,15.062 40.335,15.062 33.579,21.819 33.579,22.86 32.918,23.52 31.523,23.52 28.881,20.878 27.205,20.878
PG_C2M: J2.d1
SCL: IC1.6 IC2.1 J2.c30 TP3.1 | length 81.2
  Top Layer w0.127: IC2.1@71.968,54.817 72.074,54.712 v1@72.72,54.712 ; v2(73.762,52.883) 73.787,52.857 IC1.6@75.209,52.857 ; J2.c30@123.775,44.556 124.33,45.11 v1(124.384,45.11) ; v1(129.083,45.847) 129.108,45.872 TP3.1@130.327,45.872
  SIG w0.127: v2(73.762,52.883) 74.701,53.823 74.701,54.813 74.447,55.067 73.609,55.067 73.254,54.712 72.72,54.712 72.72,55.523 76.633,59.436 109.296,59.436 113.707,55.025 113.707,54.021 113.716,54.012 113.716,47.447 115.612,45.551 123.943,45.551 v1(124.384,45.11)
  GND w0.127: v1(124.384,45.11) 124.384,45.783 124.773,46.173 124.773,46.537 124.5,46.811 124.5,47.094 125.031,47.625 127.305,47.625 v1(129.083,45.847)
  other v1: 72.746,54.698
SDA: IC1.5 IC2.6 J2.c31 TP2.1 | length 81.6
  Top Layer w0.127: IC2.6@71.968,52.117 71.968,52.131 71.984,52.146 72.411,52.146 72.691,52.426 v1@72.72,52.426 ; v1@73.965,54.102 73.99,54.127 IC1.5@75.209,54.127 ; J2.c31@123.775,45.826 124.304,46.355 v1(124.333,46.355) ; v1@129.032,48.517 129.771,48.517 TP2.1@130.277,49.022
  SIG w0.127: v1(72.669,52.451) 72.701,52.483 73.006,52.483 73.177,52.654 73.177,53.315 v1@73.965,54.102 ; v1@72.669,52.476 71.958,53.188 71.958,55.372 76.378,59.792 110.642,59.792 114.63,55.804 114.63,48.031 116.307,46.355 v1(124.333,46.355)
  GND w0.127: v1(124.333,46.355) 124.333,46.456 124.212,46.577 124.212,46.603 123.622,47.193 123.622,47.59 124.546,48.514 v1(129.032,48.514)
  other v1: 73.939,54.102
VADJ: J2.g39 J2.h40 R4.2 R31.2 | length 160
  Top Layer w0.254: J2.h40@117.425,57.256 v1@117.954,57.785 ; J2.g39@118.695,55.986 v1@119.126,56.417
  Top Layer w0.508: v2(66.751,55.042) 66.776,55.042 66.928,54.889 R4.2@67.704,54.889 ; R31.2@79.743,11.33 79.781,11.292 80.602,11.292 v2(80.62,11.274) ; v1@117.954,57.785 v1(117.958,57.785) ; v1@119.126,56.417 v1(119.126,56.42)
  SIG w0.508: v2(66.751,55.042) 73.533,61.824 113.722,61.824 v1(119.126,56.42) ; v2(80.62,11.274) 80.644,11.274 80.717,11.201 81.89,11.201 82.601,11.913 85.09,11.913 89.992,7.01 101.27,7.01 113.716,19.456 120.752,19.456 121.666,20.371 123.344,20.371 124.888,21.914 124.888,21.916 127.762,24.79 127.762,55.651 124.587,58.826 118.999,58.826 v1(117.958,57.785)
pads on no net: FTG1.FTG2 FTG2.FTG2 FTG3.1 FTG4.1 IC1.1 J1.37 J1.38 J2.1 J2.2 J2.c2 J2.c3 J2.c6 J2.c7 J2.c10 J2.c11 J2.c15 J2.c18 J2.c19 J2.c22 J2.c23 J2.c26 J2.c27 J2.d4 J2.d5 J2.d8 J2.d9 J2.d11 J2.d12 J2.d14 J2.d15 J2.d17 J2.d18 J2.d20 J2.d21 J2.d23 J2.d24 J2.d26 J2.d27 J2.d29 J2.d33 J2.d34 J2.g2 J2.g3 J2.g9 J2.g10 J2.g18 J2.g19 J2.g28 J2.g30 J2.g31 J2.g33 J2.g34 J2.g36 J2.g37 J2.h1 J2.h4 J2.h5 J2.h10 J2.h11 J2.h13 J2.h14 J2.h19 J2.h31 J2.h32 J2.h34 J2.h35 J2.h37 J2.h38 J5.7 J5.8
copper on no net: | length 0.8
  Top Layer w0.127: 117.425,30.586 117.425,30.597 ; 118.695,29.316 118.695,29.363
  Top Layer w0.254: 122.505,43.286 122.534,43.286 122.566,43.318 v1(123.012,43.764)

## Polygon pours and split planes (outlines as drawn)
GND on SIG "GND_L02_P004" (hatched 45Degree grid 0.508 track 0.203, remove dead copper, pour order 4): 136.5,66 136.5,-1.5 -1.5,-1.5 -1.5,66
NetD1_2 on SIG "NETD1_2_L02_P000" (hatched 45Degree grid 0.508 track 0.203, remove dead copper, pour order 0): 6.688,34.018 7.706,34.018 8.103,33.621 8.103,30.658 8.941,29.82 12.192,29.82 12.497,29.515 12.497,26.924 12.192,26.619 9.195,26.619 6.96,28.854 6.074,29.74 6.074,33.405
GND on GND "GND_L03_P002" (hatched 45Degree grid 0.508 track 0.203, remove dead copper, pour order 2): 136.5,66 136.5,-1.5 -1.5,-1.5 -1.5,66

## Keep-outs
Keep-Out Layer:
  lines w0.254: 75.3,67 117.026,67 ; 80.1,-2 116.899,-2 ; 120.074,67 129.5,67 ; 120.201,-2 129.5,-2
  lines w0.3: 75.3,67 -2.007,67 -2.007,-2 80.1,-2 137,-2 137,67 75.3,67 ; 75.3,67 75.3,67

## Silkscreen, mask and mechanical layers (free items; w line width, h text height)
Top Solder:
  rectangle: 53,-1.947 66.8,6.3
  rectangle: 60.951,54.813 74.701,64.513
  rectangle: 53,-1.947 80.475,3
  rectangle: 64.5,62 75.55,67
  rectangle: 74.778,61.341 136.478,66.341
  rectangle: 80.1,-2 137,3
  rectangle: 132,-2 137,67
  region: 53.272,57.708 53.272,62.153 63.813,62.153 63.813,57.708
  region: 53.272,1.447 53.272,5.765 63.813,5.765 63.813,1.447
Mechanical 1:
  drawing of 329 lines, arcs and shapes, not listed
Mechanical 2:
  circle w0.1: c64.003,60.046 r1.025
  circle w0.1: c64.003,3.496 r1.025
  lines w0.1: 52.003,5.746 64.003,5.746 cw(c64.003,3.496) 64.003,1.246 53.003,1.246 53.003,2.546 51.553,2.546 ; 52.003,5.771 52.003,57.771 ; 52.003,57.796 64.003,57.796 ccw(c64.003,60.046) 64.003,62.296 53.003,62.296 53.003,60.996 51.553,60.996 ; 53,1.3 79.1,1.3 ; 53,62.3 63.5,62.3 ; 63.003,3.496 65.003,3.496 ; 63.003,60.046 65.003,60.046 ; 64.003,2.496 64.003,4.496 ; 64.003,59.046 64.003,61.046 ; 64.5,63.3 64.5,64.4 74.3,64.4 ; 75.3,65.4 75.3,67 ; 80.1,-2 80.1,0.3 ; 49.953,2.546 cw(c50.753,2.546) 51.553,2.546 ; 49.953,2.546 49.953,60.996 ; 49.953,2.546 49.503,2.546 49.503,60.996 49.953,60.996 ; 49.953,60.996 ccw(c50.753,60.996) 51.553,60.996 ; 51.553,2.546 51.553,60.996
  lines w0.635: 63.5,62.3 ccw(c63.5,63.3) 64.5,63.3
Mechanical 5:
  lines w0.254: 87.65,-71.49 107.97,-71.49 ; 152.84,-41.225 152.84,-36.145 ; 157.92,-41.225 157.92,-36.145 ; 163,-41.225 163,-36.145 ; 168.08,-41.225 168.08,-36.145 ; 173.16,-41.225 173.16,-36.145 ; 147.76,-41.225 178.24,-41.225 178.24,-36.145 147.76,-36.145 147.76,-41.225
Title Block:
  circle w0.305: c47.645,-33.39 r3.81
  lines w0.254: 45.74,-34.652 ccw(c50.185,-34.66) 46.453,-32.245 ; 54.63,-34.66 54.63,-30.215 ; 57.17,-37.835 99.08,-37.835 ; 57.17,-34.66 99.08,-34.66 ; 57.17,-31.485 99.08,-31.485 ; 71.14,-41.01 71.14,-28.31 ; 43.2,-41.01 55.9,-41.01 55.9,-28.31 43.2,-28.31 43.2,-41.01 ; 57.17,-41.01 99.08,-41.01 99.08,-28.31 57.17,-28.31 57.17,-41.01
  lines w0.305: 44.089,-34.761 45.105,-37.835 ; 47.137,-40.883 50.21,-36.209 ; 47.645,-29.58 55.265,-28.945 ; 51.379,-32.628 53.995,-41.01
  text "Number" at 58.44,-30.85 h1.91
  text "EDA-02064-V1" at 72.41,-30.85 h1.91
  text "Drawn By" at 58.44,-34.025 h1.91
  text "CEGELEC NL" at 72.41,-34.025 h1.91
  text "CERN" at 44.47,-34.279 h2.54
  text "DATE" at 58.44,-37.2 h1.91
  text "07-12-2009" at 72.41,-37.2 h1.91
  text "MOD." at 58.44,-40.375 h1.91
  text "-" at 72.41,-40.375 h1.91
  text "Print Date" at 58.44,-43.55 h1.27
  text ".Print_Date" at 73.68,-43.55 h1.27
  text ".Print_Time" at 86.38,-43.55 h1.27
  text ".Print_Scale" at 33.04,-71.49 h1.27
Mechanical 8:
  circle w0.1: c64,60.05 r1.35
  circle w0.1: c64,3.5 r1.35
  circle w0.1: c118.6,64 r1.35
  circle w0.1: c120.6,5.3 r0.65
  circle w0.1: c118.6,1 r1.35
  circle w0.1: c117.55,59.7 r0.65
  circle w0.1: c118.6,64 r2.9
  circle w0.1: c118.6,1 r2.9
  lines w0.1: 50,-11.5 51,-11.5 ; 51,-12.5 51,-11.5 ; 51,-10.5 51,-11.5 ; 52,-11.5 51,-11.5 ; 53,6.8 84,6.8 84,56.8 53,56.8 ; 60,-11.5 61,-11.5 ; 61,-12.5 61,-11.5 ; 61,-10.5 61,-11.5 ; 62,-11.5 61,-11.5 ; 63,3.5 64,3.5 ; 63,60.05 64,60.05 ; 64,2.5 64,3.5 ; 64,4.5 64,3.5 ; 64,59.05 64,60.05 ; 64,61.05 64,60.05 ; 65,3.5 64,3.5 ; 65,60.05 64,60.05 ; 116.55,59.7 117.55,59.7 ; 117.55,58.7 117.55,59.7 ; 117.55,60.7 117.55,59.7 ; 117.6,1 118.6,1 ; 117.6,64 118.6,64 ; 118.55,59.7 117.55,59.7 ; 118.6,0 118.6,1 ; 118.6,2 118.6,1 ; 118.6,63 118.6,64 ; 118.6,65 118.6,64 ; 119.6,1 118.6,1 ; 119.6,5.3 120.6,5.3 ; 119.6,64 118.6,64 ; 120.6,4.3 120.6,5.3 ; 120.6,6.3 120.6,5.3 ; 121.6,5.3 120.6,5.3 ; 125.3,7.7 126.3,7.7 ; 126.3,6.7 126.3,7.7 ; 126.3,8.7 126.3,7.7 ; 127.3,7.7 126.3,7.7 ; 217,248.5 218,248.5 ; 218,247.5 218,248.5 ; 218,249.5 218,248.5 ; 219,248.5 218,248.5
Mechanical 9:
  drawing of 514 lines, arcs and shapes, not listed
  text "OPTICAL TARGET 2x2mm" at 235.895,190.085 h2.5 r90
  text "ALL DIMENSIONS ARE IN MILLIMETERS" at 235.895,101.085 h2.5 r90
  text "Ø3.5 ±0.005" at 232.5,-1 h2 r90
  text "NOT PLATED HOLE" at 235,-1 h2 r90
Mechanical 10:
  lines w0.1: 48,-2 53,-2 53,-7 ; 48,62.3 53,62.3 53,67.3 ; 50.5,1.3 53,1.3 53,-1.2 ; 62,64.4 64.5,64.4 64.5,66.9 ; 72.8,67 75.3,67 75.3,69.5 ; 77.6,-2 80.1,-2 80.1,-4.5 ; 129.5,72 129.5,67 134.5,67 ; 134.5,-2 129.5,-2 ; 129.5,-2 129.5,-7 129.5,-2
Mechanical 14:
  lines w0.3: 75.3,67 75.3,65.4 cw(c74.3,65.4) 74.3,64.4 64.5,64.4 64.5,63.3 cw(c63.5,63.3) 63.5,62.3 53,62.3 53,1.3 79.1,1.3 cw(c79.1,0.3) 80.1,0.3 80.1,-2 137,-2 137,67 75.3,67 ; 75.3,67 75.3,67
  text "All dimensions are in mm." at 101,72.575 h0.51
Drill Drawing:
  lines w0.1: 62.5,63.3 63.5,63.3 ; 63.5,62.3 63.5,63.3 ; 63.5,64.3 63.5,63.3 ; 64.5,63.3 63.5,63.3 ; 73.3,65.4 74.3,65.4 ; 74.3,64.4 74.3,65.4 ; 74.3,66.4 74.3,65.4 ; 75.3,65.4 74.3,65.4 ; 78.1,0.3 79.1,0.3 ; 79.1,-0.7 79.1,0.3 ; 79.1,1.3 79.1,0.3 ; 80.1,0.3 79.1,0.3

## Dimensions
75.3,67 to 137,67 on Mechanical 14
103.4,68 to 104.6,68 on Mechanical 9
36,-19 to 51,-11.5 on Mechanical 9
36,-19 to 51,-11.5 on Mechanical 9
137,67 to 137,-2 on Drill Drawing

## Text inside footprints (layer, text, board x,y; h text height)
J2: Top Overlay "d" at 121.979,3.098 h1; Top Overlay "c" at 123.376,3.352 h1; Top Overlay "h" at 114.105,3.225 h1; Top Overlay "g" at 115.375,3.225 h1; Top Overlay "40" at 110.93,57.2 h1; Top Overlay "1" at 112.527,7.074 h1; Mechanical 14 "c" at 123.521,2.519 h1; Mechanical 14 "d" at 122.145,2.502 h1; Mechanical 14 "h" at 117.044,2.519 h1; Mechanical 14 "g" at 118.369,2.629 h1; Mechanical 14 "40" at 113.488,59.796 h1 r270; Mechanical 14 "1" at 112.527,7.074 h1